# Altium PCB STM32MP25XXAK_2_DDR4_ascii.PcbDoc (part 4 of 6)
Units mm, origin at the board's own origin, x right, y up, seen from the top; angles counter-clockwise.
Board outline 120 x 79.6 mm, 4 copper layers (Top Layer, Signal Layer 1, Signal Layer 2, Bottom Layer), stack 1.614 mm thick; 243 components, 152 nets, 1304 pads, 784 vias.
Unrouted connection lines stored in the file: 6.
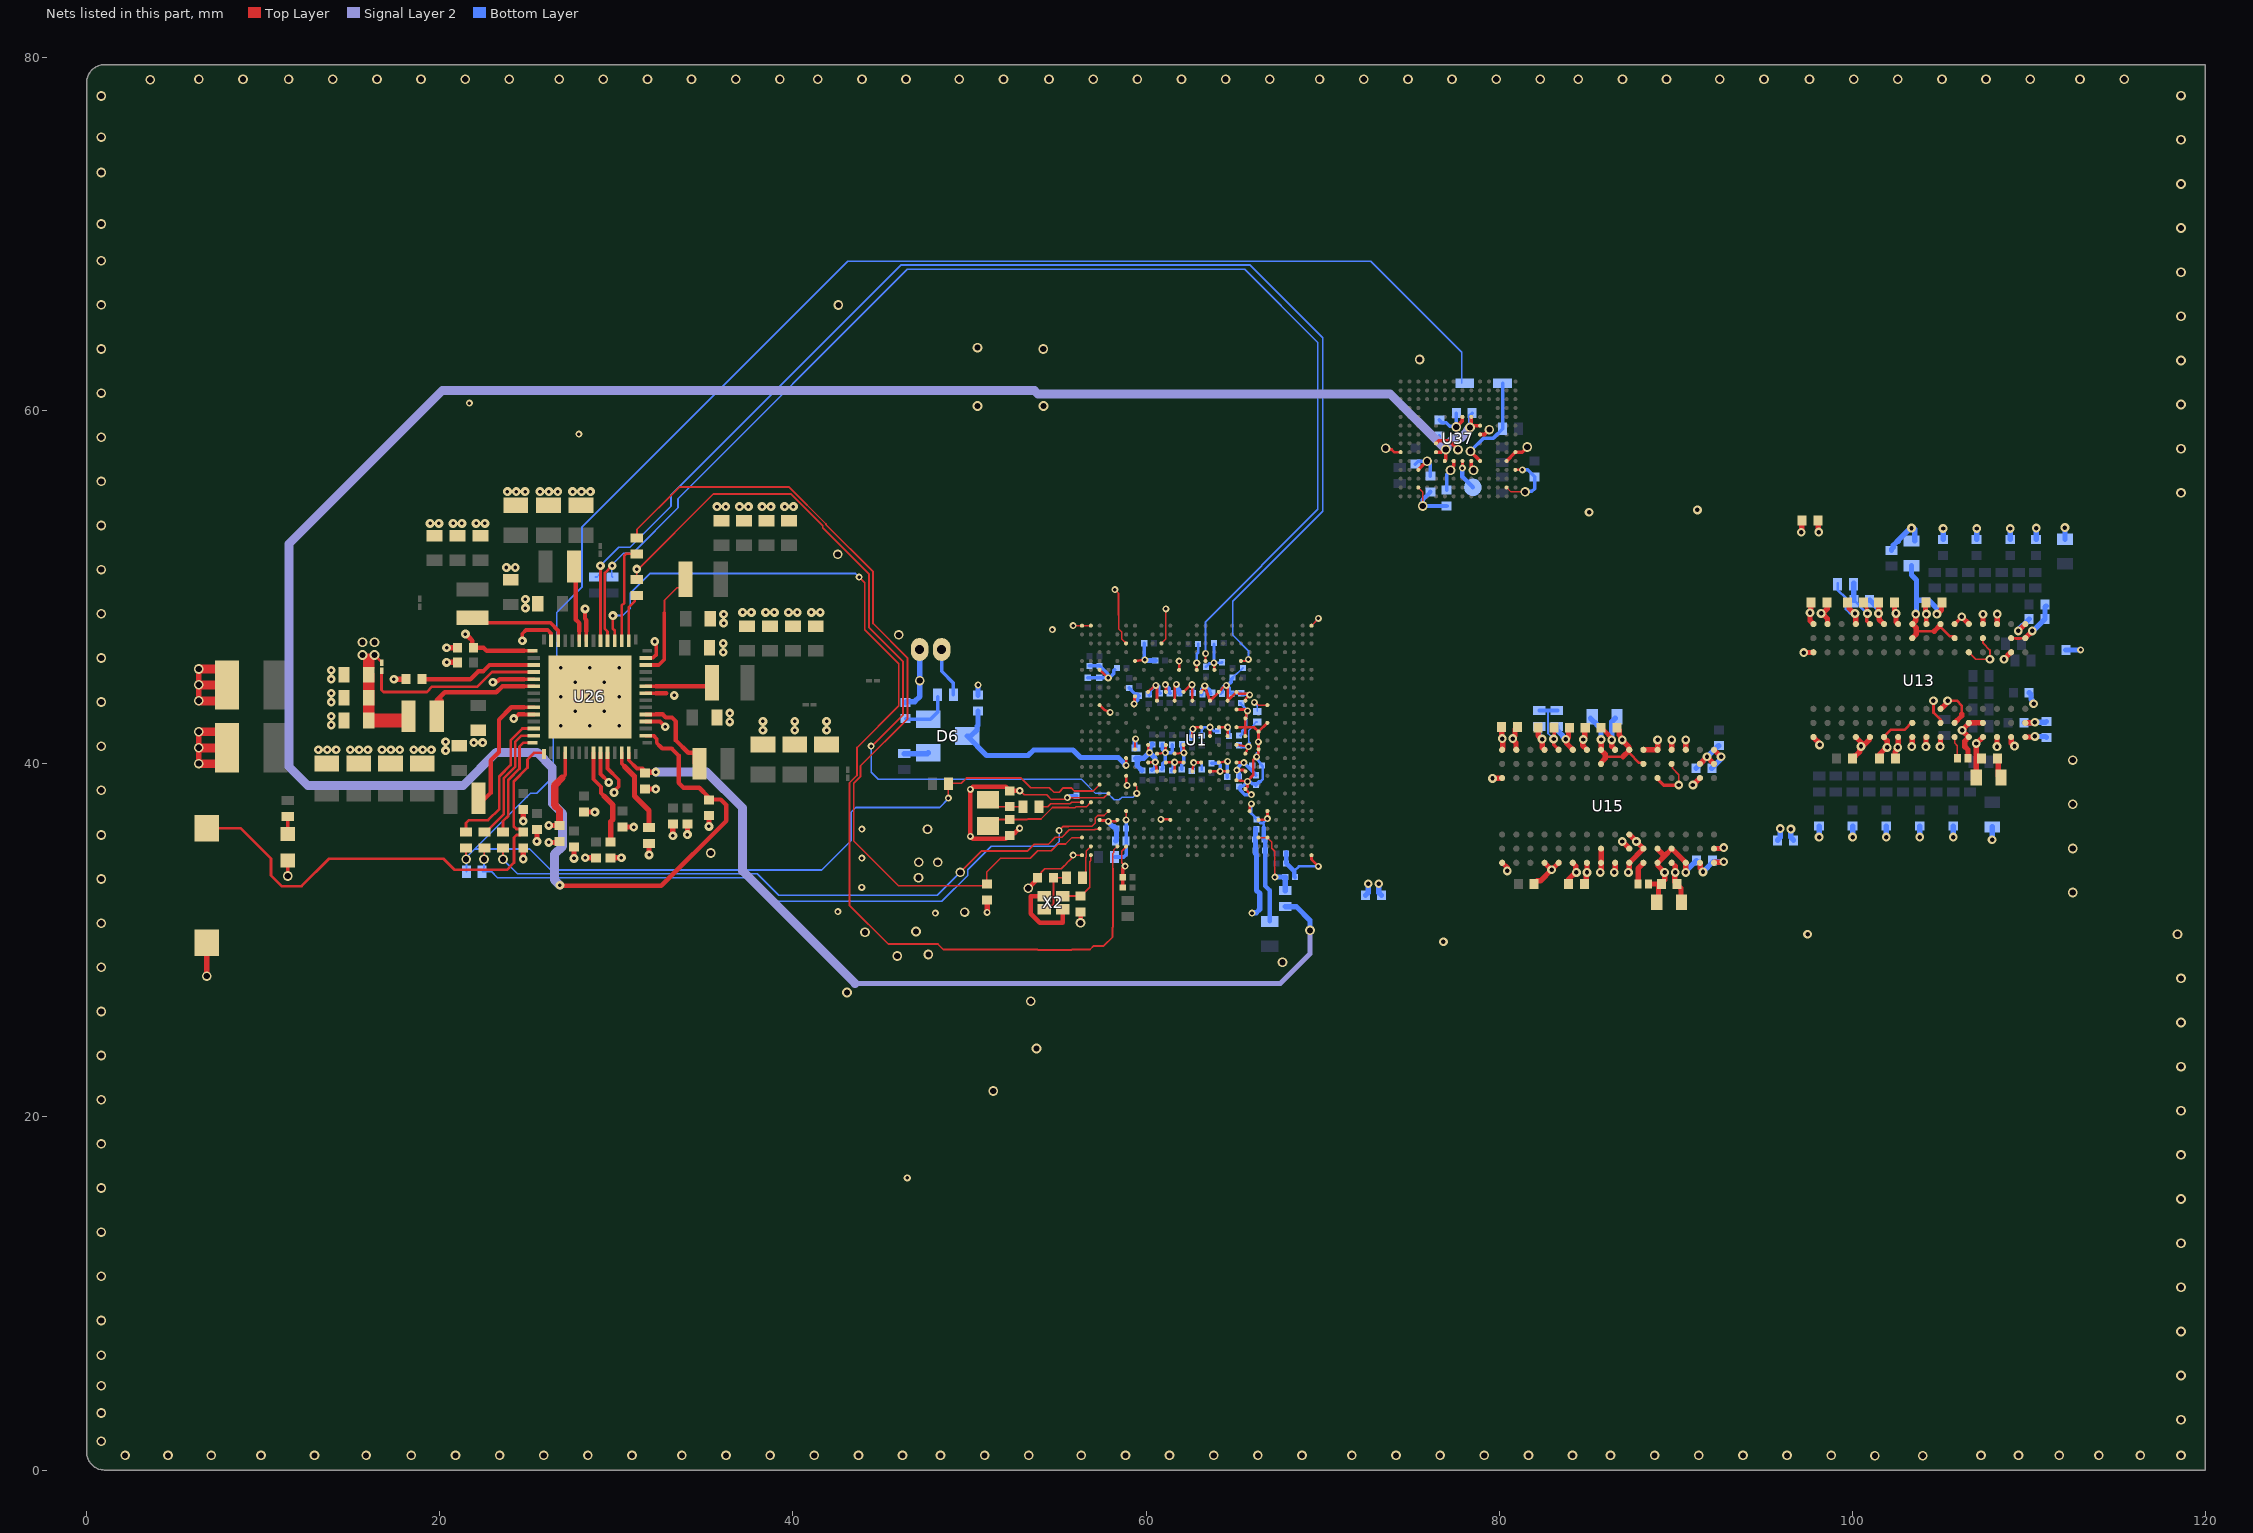
[diagram p5: the nets of this part, all layers, seen from the top]

## Via types
v1: diameter 0.55, hole 0.35, Top Layer to Bottom Layer, 256 vias
v2: diameter 0.4, hole 0.2, Top Layer to Bottom Layer, tented both sides, 235 vias
v3: diameter 0.5, hole 0.2, Top Layer to Bottom Layer, 146 vias
v4: diameter 0.5, hole 0.25, Top Layer to Bottom Layer, 143 vias
v5: diameter 0.5, hole 0.25, Top Layer to Bottom Layer, tented both sides, 4 vias

## Nets (pads, with @x,y where several pads share a name; then routed paths per layer and width w, separated by ;. In a path a pad name is that pad's centre, name@x,y a point inside that pad or via, vN(x,y) a via of type N, cw(c..) or ccw(c..) an arc to the next point about the centre after c; other vN are vias at no path point) (continued)
GND: B2.1 C1.1 C2.1 C3.1 C4.1 C5.1 C6.2 C7.1 C8.2 C9.1 C10.1 C11.1 C12.2 C13.1 C14.1 C15.1 C16.1 C17.1 C18.2 C19.1 C20.1 C21.1 C22.1 C23.1 C24.1 C26.1 C27.1 C28.1 C29.1 C30.1 C32.1 C33.1 C34.1 C35.1 C36.1 C37.1 C38.1 C39.1 C40.1 C41.1 C42.2 C43.1 C44.2 C45.1 C46.1 C47.2 C48.1 C49.1 C50.1 C51.1 C52.1 C53.1 C54.1 C55.1 C56.1 C58.1 C59.1 C60.1 C61.1 C62.1 C63.1 C64.1 C65.1 C66.1 C67.1 C68.1 C69.1 C70.2 C71.1 C72.1 C73.1 C74.1 C75.1 C76.1 C77.2 C79.1 C81.2 C82.1 C83.1 C84.1 C85.1 C86.2 C87.1 C88.1 C90.1 C91.2 C92.2 C117.1 C118.1 C128.1 C130.1 C142.2 C145.1 C146.1 C147.1 C148.1 C149.1 C150.1 C151.1 C152.1 C153.1 C154.1 C155.1 C156.1 C157.1 C158.1 C162.1 C170.1 C183.1 C184.1 C185.1 C186.1 C187.1 C188.1 C189.1 C190.2 C192.1 C193.1 C194.1 C195.1 C196.1 C197.1 C198.1 C199.1 C200.1 C201.1 C202.1 C203.1 C204.1 C205.1 C206.1 C207.1 C208.2 C209.1 C211.1 C212.1 C213.1 C214.1 C215.1 C216.1 C217.2 C218.1 C219.1 C220.1 C221.1 C225.1 C234.1 C235.1 C236.1 C237.1 C238.1 C239.1 C240.1 C244.1 C246.1 C248.1 C250.1 C251.1 C252.1 C253.1 C260.1 C1141.2 CN12.2 LD11.2 R57.1 R62.1 R75.1 R142.1 R147.1 R163.1 R174.1 U1.1A1 U1.1A3 U1.1A5 U1.1A7 U1.1A9 U1.1A11 U1.1B2 U1.1B4 U1.1B6 U1.1B8 U1.1B10 U1.1B12 U1.1E7 U1.1E9 U1.1F6 U1.1F8 U1.1F10 U1.1G1 U1.1G3 U1.1G5 U1.1G11 U1.1H2 U1.1H4 U1.1H12 U1.1J1 U1.1J3 U1.1J5 U1.1J7 U1.1J9 U1.1J11 U1.1K2 U1.1K4 U1.1K6 U1.1K8 U1.1K10 U1.1K12 U1.A1 U1.A2 U1.A27 U1.AC3 U1.AC5 U1.AC11 U1.AF6 U1.AG1 U1.AG27 U1.C6 U1.C10 U1.E7 U1.F3 U1.F12 U1.F14 U1.F16 U1.J7 U1.K3 U1.V6 U1.Y4 U13.A2 U13.A8 U13.B2 U13.C9 U13.D2 U13.D8 U13.E1 U13.E3 U13.E8 U13.E9 U13.F1 U13.G8 U13.H1 U13.H9 U13.K1 U13.K9 U13.M9 U13.N1 U13.N9 U13.T1 U13.T3 U15.A2 U15.A8 U15.B2 U15.C9 U15.D2 U15.D8 U15.E1 U15.E3 U15.E8 U15.E9 U15.F1 U15.G8 U15.H1 U15.H9 U15.K1 U15.K9 U15.M9 U15.N1 U15.N9 U15.T1 U15.T3 U26.9 U26.10 U26.18 U26.22 U26.27 U26.36 U26.41 U26.47 U26.52 U26.57 U37.A6 U37.C4 U37.E7 U37.G5 U37.H10 U37.J5 U37.K8 U37.N2 U37.N5 U37.P4 U37.P6 X2.2 X2.4 | length 240.8
  Top Layer w0.09: v2(55.55,38.085) 55.565,38.07 56.266,38.07 56.271,38.075 57.612,38.075 57.862,38.325 U1.Y4@57.875,38.325 ; U1.A1@56.375,47.825 U1.A2@56.875,47.825 ; 58.445,48.418 58.445,47.647 58.625,47.467 58.625,47.075 U1.C6@58.875,46.825 ; v2(58.816,34.213) 58.625,34.404 58.625,35.05 58.875,35.3 U1.AF6@58.875,35.325 ; U1.C10@60.875,46.825 61.125,47.075 v2(61.125,48.775) ; U37.N2@80.425,55.655 80.675,55.405 v1(81.475,55.405) ; U15.A8@92.208,35.257 v4@92.541,35.257 ; U13.A8@109.781,42.302 U13.A8@109.805,42.326
  Top Layer w0.1: v2(52.85,38.475) 52.882,38.475 53.114,38.244 54.372,38.244 54.622,37.994 55.458,37.994 v2(55.55,38.085) ; v1@53.243,33.041 v1(53.329,32.955) ; C92.2@53.859,33.546 53.859,33.648 54.264,34.053 55.189,34.053 55.279,34.144 55.291,34.144 55.496,34.349 55.496,34.361 55.77,34.635 55.77,34.639 55.875,34.744 v2(55.875,34.825) U1.AG1@56.375,34.825 ; v2(55.875,47.825) U1.A1@56.375,47.825 ; v2(58.24,49.865) 58.445,49.66 58.445,48.418 ; U1.A27@69.375,47.825 69.762,48.213 v2(69.762,48.238) ; v4@79.631,39.21 v4@79.635,39.205 ; v4@79.635,39.177 v4@79.635,39.205 ; v4@79.644,39.197 v4@79.635,39.205 ; U15.D2@89.781,40 89.823,39.958 89.823,39.747 90.181,39.39 90.181,38.8 v4@90.166,38.815 ; U13.E3@106.605,46.32 106.996,45.929 v4(107.803,45.929) 107.803,46.445 107.414,46.834 107.414,47.111 U13.D2@107.405,47.12
  Top Layer w0.15: U1.AC3@57.375,36.825 57.41,36.79 57.795,36.79 57.845,36.74 v2(57.872,36.74) 58.29,36.74 U1.AC5@58.375,36.825 ; U1.K3@57.375,43.325 57.643,43.057 v2(57.966,42.92) ; U1.F3@57.375,45.325 v2(57.862,44.875) ; U1.V6@58.875,39.325 58.875,38.893 58.925,38.843 v2(58.925,38.775) ; v2@59.325,43.275 59.35,43.3 59.35,43.613 ; v2(59.325,43.4) 59.35,43.613 ; U1.E7@59.375,45.825 v2(59.931,45.892) ; U1.J7@59.388,43.812 U1.J7@59.375,43.825 ; U1.1J1@60.125,40.075 v2(60.525,40.1) U1.1K2@60.625,39.575 ; U1.1G1@60.125,41.075 60.125,40.778 60.198,40.705 v2(60.198,40.638) ; U1.1A1@60.125,44.075 60.442,44.392 60.481,44.392 60.531,44.442 v2@60.555,44.442 ; v2(60.558,44.442) v2@60.555,44.442 ; U1.1H2@60.625,40.575 v2(61.092,40.638) U1.1G3@61.125,41.075 ; U1.1B2@60.625,43.575 60.625,44.371 v2@60.555,44.442 ; v2(60.841,36.854) 61.289,36.854 61.303,36.84 61.36,36.84 U1.AC11@61.375,36.825 ; U1.1J3@61.125,40.075 v2(61.625,40.089) ; U1.1A3@61.125,44.075 61.132,44.082 v2@61.132,44.466 ; U1.1K4@61.625,39.575 v2(61.625,40.089) ; U1.1H4@61.625,40.575 v2(62.15,40.625) U1.1G5@62.125,41.075 ; U1.1B4@61.625,43.575 61.625,44.405 v2(61.725,44.505) ; U1.F12@61.875,45.325 v2(61.875,45.825) ; U1.1J5@62.125,40.075 v2(61.625,40.089) ; U1.1A5@62.125,44.075 62.496,44.446 62.571,44.446 62.625,44.5 U1.1B6@62.625,43.575 ; U1.1K6@62.625,39.575 v2(62.7,40.075) U1.1J7@63.125,40.075 ; U1.1F6@62.625,41.575 62.625,41.95 v2(62.65,41.975) ; v2@62.657,41.975 62.718,41.975 62.818,42.075 U1.1E7@63.125,42.075 ; U1.F14@62.875,45.325 v2(62.875,45.725) ; U1.1A7@63.125,44.075 v2(63.328,44.412) U1.1B8@63.625,43.575 U1.1A9@64.125,44.075 64.448,44.398 64.538,44.398 64.586,44.446 64.625,44.407 U1.1B10@64.625,43.575 U1.1A11@65.125,44.075 65.147,44.075 65.25,43.972 65.818,43.972 65.865,43.925 65.865,43.894 65.64,43.669 65.64,43.59 U1.1B12@65.625,43.575 ; U1.1K8@63.625,39.575 v2(64.198,39.575) U1.1K10@64.625,39.575 ; U1.1F8@63.625,41.575 v2(63.625,42.075) ; v2@63.853,45.725 U1.F16@63.875,45.325 ; U1.1E9@64.125,42.075 v2(64.625,42.075) U1.1F10@64.625,41.575 ; U1.1G11@65.125,41.075 v2(65.806,40.972) U1.1H12@65.625,40.575 ; U1.AG27@69.375,34.825 69.375,34.59 v2(69.768,34.197) ; v1(73.575,57.875) 73.646,57.804 73.911,57.804 74.056,57.66 74.42,57.66 U37.A6@74.425,57.655 ; U37.P4@80.925,56.655 v2(81.325,56.655) ; v4@104.606,43.575 104.606,42.9 105.006,42.5 U13.G8@105.006,42.325 ; U13.B2@109.005,47.12 109.282,47.12 109.303,47.099 109.501,47.099 109.523,47.12 U13.A2@109.801,47.12 ; 59.35,43.613 59.35,43.825 U1.J7@59.375,43.825 ; 59.35,43.613 U1.J7@59.375,43.825
  Top Layer w0.16: U1.1J9@64.125,40.075 v2(64.625,40.143) ; U1.1J11@65.125,40.075 v2@65.5,40.075 ; v2(65.15,39.65) 65.55,39.65 U1.1K12@65.625,39.575
  Top Layer w0.2: v1@11.386,33.645 LD11.2@11.386,34.522 ; U26.27@31.67,46 32.079,46 32.27,46.191 32.27,46.91 v3@32.316,46.956 ; v3(32.17,46.93) v3@32.227,46.873 ; C248.1@58.683,33.002 C250.1@58.683,33.572 58.683,34.08 v2(58.816,34.213) ; U37.C4@75.425,56.655 75.875,57.105 75.885,57.105 v1(75.925,57.145) ; U37.E7@76.425,58.155 76.575,58.305 77.17,58.305 v1(77.675,57.8) ; v1(77.25,56.63) 77.25,56.718 77.425,56.893 U37.G5@77.425,57.155 ; v1(77.575,59.08) 77.925,59.43 U37.H10@77.925,59.655 ; U37.J5@78.425,57.155 78.425,56.85 78.55,56.725 v1(78.55,56.63) ; U37.K8@78.925,58.655 79.175,58.655 v1(79.45,58.93) ; U37.N5@80.425,57.155 U37.P6@80.925,57.655 81.305,57.655 v1(81.6,57.95) ; C85.1@81.991,33.193 C85.1@81.991,33.218 ; U15.E3@88.981,39.2 88.981,39.126 89.319,38.787 90.167,38.787 v4@90.181,38.8 ; U13.F1@105.806,47.925 v4@106.206,48.325
  Top Layer w0.21: v3(24.675,46.975) 24.675,47.375 24.88,47.58 26.109,47.58 26.3,47.389 U26.41@26.3,46.97 ; 24.775,42.8 U26.52@25.33,42.8 ; 24.775,44.8 U26.47@25.33,44.8 ; U26.36@28.3,46.97 28.3,47.525 ; U26.9@29.1,40.63 29.1,39.42 v3(29.568,38.952) ; U26.10@29.5,40.63 29.5,39.734 30.135,39.099 30.135,38.72 29.87,38.456 v3(29.87,38.377) ; U26.18@31.67,42.4 32.472,42.4 v3(32.772,42.1) ; U26.22@31.67,44 32.225,44
  Top Layer w0.25: v3(23.008,44.625) 23.056,44.673 23.257,44.673 23.384,44.8 24.775,44.8 ; v3(24.187,42.563) 24.221,42.563 24.459,42.8 24.775,42.8 ; v3(28.225,48.775) 28.225,48.214 28.3,48.139 28.3,47.525 ; 32.225,44 32.83,44 ; v3@32.757,42.1 v3(32.772,42.1) ; v2(52.841,36.352) 52.569,36.08 52.415,36.08 C86.2@52.285,35.95 52.26,35.95 52.061,35.75 50.196,35.75 v2(50.05,35.897) v2(50.05,38.554) 50.196,38.7 52.06,38.7 C81.2@52.285,38.475 v2(52.85,38.475) ; v1(53.329,32.955) 53.729,33.355 53.729,33.416 C92.2@53.859,33.546 ; X2.2@54.234,32.51 53.467,32.51 53.467,31.513 53.987,30.993 55.284,30.993 X2.4@55.284,31.76 ; v1(56.293,30.993) C90.1@56.293,31.61 ; C63.1@85.756,42.025 85.831,42.025 86.176,41.68 86.176,41.652 86.307,41.52 86.336,41.52 86.342,41.513 v4@86.342,41.388 ; U13.H1@104.206,47.925 v4@104.206,48.475
  Top Layer w0.3: v1@6.347,40.012 v1@6.347,41.812 ; v1@6.347,43.574 v1@6.347,45.374 ; B2.1@6.795,29.854 6.795,27.98 v1(6.8,27.975) ; v3(17.395,44.79) C43.1@18.055,44.79 ; v3(20.385,45.75) C40.1@20.995,45.75 ; v3(20.385,46.575) C39.1@20.995,46.575 ; v3@24.725,36.81 C217.2@24.725,37.42 ; v3@24.727,34.58 C155.1@24.727,35.185 ; v3(25.5,35.61) C154.1@25.5,36.215 ; v3(26.165,35.55) C142.2@26.775,35.55 ; v3@27.6,34.69 C1141.2@27.6,35.3 ; C153.1@28.175,37.27 v3(28.785,37.27) ; v3(28.24,34.68) C91.2@28.85,34.68 ; C208.2@29.675,34.68 v3(30.285,34.68) ; C209.1@30.35,36.42 v3(30.985,36.42) ; C156.1@31.625,38.57 v3(32.235,38.57) ; v3(31.85,34.84) R57.1@31.85,35.5 ; v3(33.2,35.93) C189.1@33.2,36.59 ; v3(34.025,35.99) C188.1@34.025,36.59 C188.1@34.025,36.65 ; v3(35.245,36.46) 35.248,36.462 35.248,37.062 C190.2@35.25,37.065 ; v2@50.979,31.565 v2(51,31.586) C33.1@51,32.3 ; v4@79.635,39.177 79.646,39.188 80.168,39.188 U15.T3@80.181,39.2 ; C60.1@80.106,42.075 80.143,42.038 80.143,41.463 v4@80.181,41.425 ; v4(80.178,41.429) 80.201,41.406 80.201,40.851 80.193,40.843 80.193,40.826 U15.T1@80.212,40.807 ; C85.1@81.991,33.218 82.146,33.373 82.347,33.373 v4(82.978,34.004) ; C61.1@82.215,42.05 82.215,41.603 82.44,41.378 82.44,40.931 82.571,40.8 U15.N1@82.581,40.8 ; U15.N9@82.581,34.4 82.977,34.004 82.981,34 U15.M9@83.381,34.4 ; v4@84.75,41.394 v4(84.766,41.379) ; C84.1@84.774,33.197 84.774,33.222 84.942,33.39 84.942,33.812 84.981,33.85 U15.K9@84.981,34.4 ; C62.1@84.856,42.025 84.856,41.499 84.735,41.379 84.732,41.382 84.732,41.039 U15.K1@84.974,40.797 ; v4@86.342,41.388 86.381,41.35 86.381,41 U15.H1@86.581,40.8 ; v4@86.531,33.85 86.581,33.9 U15.H9@86.581,34.4 ; v4@86.981,35.6 U15.G8@87.381,35.2 ; U15.F1@88.181,40.8 88.981,40.8 v4@88.981,41.35 ; R75.1@88.475,33.193 C83.1@89.149,33.193 ; C88.1@88.906,32.175 89.031,32.3 89.031,33.075 C83.1@89.149,33.193 ; U15.E8@88.981,35.184 89.375,34.79 89.375,34.784 ; U15.E9@88.991,34.4 89.375,34.784 ; U15.E9@89,34.381 89,34.231 89.381,33.85 89.381,33.425 C83.1@89.149,33.193 ; C83.1@89.186,33.195 89.184,33.193 C83.1@89.149,33.193 ; U15.D8@89.781,35.19 89.375,34.784 ; U15.D8@89.781,35.2 90.581,34.4 v4@90.581,33.85 ; U15.B2@91.381,40 91.781,40.4 U15.A2@92.181,40 ; U15.A8@92.181,35.2 v4@92.681,35.2 ; v5(97.118,53.124) 97.136,53.142 97.136,53.755 C151.1@97.155,53.774 ; v4(97.253,46.304) 97.789,46.304 U13.T3@97.805,46.32 ; C56.1@97.68,49.145 97.651,49.116 97.662,49.105 97.662,48.606 v5(97.612,48.556) 97.612,48.113 U13.T1@97.805,47.92 ; C54.1@99.73,49.15 99.835,49.045 99.835,48.81 100.112,48.533 100.158,48.533 100.205,48.486 U13.N1@100.205,47.92 ; C66.1@100.036,40.299 100.036,40.342 100.123,40.429 100.166,40.429 100.437,40.699 100.437,40.862 v4@100.475,40.9 ; U13.N9@100.205,41.52 100.532,41.193 v4@100.532,40.993 ; v4@100.638,41.1 100.706,41.1 100.986,41.38 100.986,41.505 U13.M9@101.006,41.525 ; C53.1@102.4,49.15 102.4,48.606 v4(102.483,48.523) 102.483,48.042 U13.K1@102.605,47.92 ; C67.1@102.431,40.324 102.431,40.668 102.481,40.718 102.481,40.825 102.606,40.95 U13.K9@102.606,41.525 ; C55.1@104.156,49.15 104.156,48.525 v4@104.206,48.475 ; v4@104.181,40.975 104.181,41.5 U13.H9@104.206,41.525 ; v4@106.206,48.325 U13.E1@106.612,47.918 ; R62.1@106.556,40.325 106.556,40.8 106.381,40.975 106.381,41.3 106.606,41.525 106.231,41.9 106.606,42.275 106.606,42.325 U13.D8@107.406,42.325 ; v4(108.203,40.979) 108.205,40.981 U13.C9@108.205,41.52 ; C65.1@108.206,40.375 108.273,40.308 108.273,39.333 C73.1@108.406,39.2 ; U13.A8@109.806,42.325 110.331,42.325 v4@110.356,42.35 ; U13.A2@109.806,47.125 v4@110.206,47.525
  Top Layer w0.5: v1@6.353,40.006 C18.2@7.936,40.006 ; v1@6.353,40.906 C18.2@7.936,40.906 ; v1@6.353,41.818 C18.2@7.936,41.818 ; v1@6.353,43.568 C42.2@7.936,43.568 ; v1@6.353,44.468 C42.2@7.936,44.468 ; v1@6.353,45.38 C42.2@7.936,45.38
  Bottom Layer w0.1: C10.1@64.9,44.885 65.085,45.07 65.114,45.07 65.352,45.308 65.375,45.308 C238.1@65.5,45.433 ; v2(65.806,40.972) v2@65.844,41.01 ; 65.844,41.178 65.814,41.208 65.814,41.891 66.1,42.176 66.1,42.225 66.25,42.375 R174.1@66.299,42.375
  Bottom Layer w0.15: v2(59.931,45.892) v2@59.935,45.896 ; C4.1@62.592,39.603 62.683,39.694 62.683,40.058 v2(62.7,40.075) 63.066,40.075 63.154,39.987 C5.1@63.154,39.672 ; v2(62.875,45.725) 62.875,46.219 62.95,46.294 C195.1@62.95,46.787 ; C52.1@63.162,41.607 63.162,41.944 63.293,42.075 v2(63.625,42.075) 63.844,41.856 C1.1@64.083,41.856 ; C11.1@63.4,45.5 63.586,45.686 63.807,45.686 v2@63.859,45.738 ; v2(63.85,45.725) 64.278,45.725 C69.1@64.305,45.752 ; v2@63.85,45.775 C239.1@63.85,46.787 ; v2(64.625,42.075) 64.706,41.994 C2.1@64.705,41.579 ; 68.39,33.919 68.669,34.197 v2(69.768,34.197) ; R147.1@99.182,50.229 99.182,49.846 99.639,49.389 99.639,48.768 99.874,48.533 v4@100.158,48.533
  Bottom Layer w0.2: v2(55.55,38.085) 55.663,38.198 C234.1@56.064,38.198 ; C237.1@56.696,44.88 C236.1@57.345,44.88 ; C192.1@56.8,45.55 C201.1@57.375,45.55 57.825,45.1 57.825,44.912 v2(57.862,44.875) 57.862,44.894 57.881,44.914 57.974,44.914 58.163,45.103 58.163,45.282 C16.1@58.216,45.334 ; C236.1@57.35,44.875 v2(57.862,44.875) ; C240.1@59.05,44.3 59.37,43.98 59.484,43.98 59.534,43.93 C220.1@59.534,43.856 ; v2(59.325,43.4) 59.325,43.408 59.534,43.617 59.534,43.781 C220.1@59.609,43.856 C220.1@59.534,43.931 ; v2@59.902,45.948 C17.1@59.902,46.829 ; C45.1@60.173,43.895 60.235,43.957 60.235,44.124 60.248,44.137 60.248,44.139 60.551,44.442 v2(60.558,44.442) ; C71.1@60.34,39.635 60.491,39.786 60.491,40.066 v2(60.525,40.1) ; v2@60.624,44.485 60.726,44.383 60.726,44.075 C51.1@60.813,43.988 ; C72.1@60.905,39.698 60.956,39.749 60.956,40.021 61.092,40.157 v2(61.092,40.638) ; C46.1@60.915,41.105 60.915,40.815 v2(61.092,40.638) ; v2@61.132,44.466 61.132,44.444 61.302,44.274 61.302,44.062 C49.1@61.377,43.987 ; C12.2@61.467,39.624 61.542,39.699 61.542,39.952 61.625,40.035 v2(61.625,40.089) ; C47.2@61.476,41.081 61.476,40.694 61.42,40.638 v2(61.092,40.638) ; C74.1@62.03,39.683 62.03,39.955 62.15,40.075 v2(62.15,40.625) 62.038,40.737 C48.1@62.038,41.107 ; C7.1@62.581,44.08 62.636,44.08 62.636,44.483 v2@62.625,44.494 ; C6.2@63.156,43.924 63.156,44.24 v2(63.328,44.412) 63.366,44.374 63.421,44.374 63.6,44.195 63.6,44.059 C8.2@63.675,43.984 ; C59.1@63.714,40.036 64.111,40.036 64.198,39.949 v2(64.198,39.575) ; C68.1@64.239,43.997 64.314,44.072 64.314,44.284 64.437,44.408 64.548,44.408 v2@64.586,44.446 ; C58.1@64.607,39.247 64.607,40.125 v2(64.625,40.143) ; C10.1@64.915,44.871 64.84,44.796 64.84,44.663 64.623,44.446 v2@64.586,44.446 ; C82.1@65.125,41.05 65.355,41.05 65.433,40.972 v2(65.806,40.972) ; C76.1@65.274,39.198 65.274,39.526 v2(65.15,39.65) 65.15,39.704 65.25,39.804 65.25,39.848 65.477,40.075 65.53,40.075 66.15,39.455 66.15,39.425 C77.2@66.225,39.35 ; v2@65.844,41.01 65.844,41.178 ; v2@65.886,43.946 65.865,43.925 65.851,43.939 65.436,43.939 65.375,44 64.804,44 64.8,43.996 64.725,44.071 64.725,44.307 v2@64.586,44.446 ; C118.1@75.26,56.98 75.425,57.145 v1(75.925,57.145) 76.11,56.96 C79.1@76.11,56.305 ; C9.1@76.615,59.48 76.77,59.325 77.008,59.325 77.208,59.126 77.529,59.126 v1(77.575,59.08) C117.1@77.575,59.864 ; C130.1@77.027,55.505 77.027,56.407 v1(77.25,56.63) ; v2(81.325,56.655) 81.615,56.655 C128.1@82.015,56.255 82.015,55.592 81.858,55.435 81.505,55.435 v1(81.475,55.405)
  Bottom Layer w0.25: C253.1@67.941,34.367 68.39,33.919 68.39,33.638 C251.1@68.44,33.588 ; C253.1@67.941,34.385 C246.1@67.941,34.986
  Bottom Layer w0.3: C14.1@46.382,43.465 46.439,43.522 46.897,43.522 47.189,43.814 CN12.2@47.189,46.897 ; C87.1@50.485,43.888 v2(50.485,44.466) ; v2(57.872,36.74) 57.891,36.721 57.891,36.682 58.133,36.44 58.216,36.44 C244.1@58.325,36.331 58.325,35.675 C235.1@58.275,35.625 ; C70.2@59.775,39.625 59.506,39.894 59.506,40.25 59.456,40.3 C225.1@59.425,40.3 59.451,40.326 59.886,40.326 v2(60.198,40.638) ; v2@59.902,45.948 59.931,45.919 v2(59.931,45.892) 59.958,45.892 60,45.85 C196.1@60.525,45.85 ; C44.2@60.351,41.105 60.217,40.971 60.217,40.657 v2(60.198,40.638) ; v2(60.525,40.1) 60.506,40.119 60.506,40.33 v2(60.198,40.638) ; v2(61.725,44.505) 61.725,44.478 61.75,44.453 61.75,44.284 61.875,44.159 61.875,44.025 C50.1@61.9,44 ; C3.1@62.6,41.475 62.604,41.479 62.604,41.901 62.65,41.948 v2(62.65,41.975) ; v2@65.984,31.527 v2(66.003,31.546) 66.023,31.565 66.243,31.565 66.449,31.771 66.449,32.645 66.258,32.836 66.258,34.855 66.2,34.914 C252.1@66.2,36.324 ; v4(73.189,33.206) 73.189,32.706 C221.1@73.339,32.556 ; v1(75.5,62.9) v1@75.51,62.91 ; R142.1@82.239,42.119 82.239,41.604 v4(82.44,41.403) ; v4(86.378,41.354) 86.378,42.379 C194.1@86.575,42.577 ; v4(90.578,33.854) 90.578,33.929 C219.1@91.178,34.529 ; C205.1@91.153,39.754 v4@91.778,40.379 ; v4(91.778,40.404) v4@91.778,40.379 ; C203.1@92.453,41.029 92.428,41.029 v4@91.778,40.379 ; v4(96.528,36.304) 96.528,35.829 C218.1@96.678,35.679 ; v4(98.128,35.854) C216.1@98.128,36.479 ; v4(100.028,35.854) C215.1@100.028,36.479 ; v4(101.928,35.854) C214.1@101.928,36.479 ; R163.1@102.228,52.098 102.228,52.154 102.327,52.253 102.327,52.378 102.553,52.604 102.603,52.604 102.578,52.629 103.301,53.352 v4(103.36,53.352) 103.499,53.352 103.546,53.305 C150.1@103.546,52.628 ; v4(103.828,35.854) C213.1@103.828,36.479 ; C149.1@105.153,52.704 v4(105.153,53.329) ; v4(105.728,35.854) C212.1@105.728,36.479 ; C148.1@107.053,52.704 v4(107.053,53.329) ; v4(107.928,35.704) C211.1@107.928,36.429 ; C147.1@108.953,52.704 v4(108.953,53.329) ; C198.1@109.728,42.329 110.328,42.329 v4(110.353,42.354) 110.953,42.354 C197.1@111.003,42.402 ; C185.1@110.028,44.029 110.133,43.924 110.133,43.666 110.206,43.593 110.206,43.557 110.306,43.457 v4@110.306,43.403 ; v4(110.203,47.529) 110.253,47.529 110.928,48.204 110.928,48.879 C158.1@110.99,48.942 ; C146.1@110.428,52.729 v4(110.428,53.354) ; C145.1@112.053,52.728 v4(112.053,53.379) ; C170.1@112.103,46.454 112.939,46.454 v2(112.945,46.46)
  other v1: 101.286,0.805 104,0.805 2.175,0.83 4.6,0.83 7.05,0.83 9.875,0.83 12.9,0.83 15.825,0.83 18.386,0.83 20.886,0.83 23.386,0.83 25.886,0.83 28.386,0.83 30.886,0.83 33.711,0.83 36.211,0.83 38.711,0.83 41.211,0.83 43.711,0.83 46.211,0.83 48.361,0.83 50.861,0.83 53.361,0.83 56.336,0.83 58.836,0.83 61.336,0.83 63.836,0.83 66.336,0.83 68.836,0.83 71.661,0.83 74.161,0.83 76.661,0.83 79.161,0.83 81.661,0.83 84.161,0.83 86.311,0.83 88.811,0.83 91.311,0.83 93.811,0.83 96.311,0.83 98.811,0.83 107.3,0.83 109.425,0.83 111.725,0.83 113.975,0.83 116.325,0.83 118.625,0.83 0.825,1.625 118.625,2.85 0.825,3.225 0.825,4.775 118.625,5.35 0.825,6.5 118.625,7.85 0.825,8.475 118.625,10.35 0.825,10.975 118.625,12.85 0.825,13.475 118.625,15.35 0.825,15.975 118.625,17.85 0.825,18.475 118.625,20.35 0.825,20.975 51.35,21.475 118.625,22.85 0.825,23.475 53.8,23.875 118.625,25.35 0.825,25.975 53.467,26.55 43.063,27.05 118.625,27.85 0.825,28.475 67.73,28.759 45.909,29.117 47.672,29.202 118.428,30.35 44.087,30.462 46.975,30.5 0.825,30.975 49.725,31.6 112.495,32.71 0.825,33.475 47.112,33.546 11.387,33.648 47.125,34.425 48.2,34.42 35.35,34.945 112.495,35.21 0.825,35.975 47.625,36.3 112.495,37.71 0.825,38.5 6.348,40.014 112.495,40.21 6.348,40.914 0.825,41 6.348,41.814 0.825,43.5 6.348,43.576 6.348,44.476 47.189,44.713 6.348,45.376 0.825,46 45.995,47.305 0.825,48.5 0.825,51 42.535,51.865 0.825,53.5 118.625,55.35 0.825,56 118.625,57.85 0.825,58.5 50.45,60.275 54.195,60.275 118.625,60.35 0.825,61 118.625,62.85 0.825,63.5 54.175,63.5 50.45,63.575 118.625,65.35 0.825,66 42.575,65.995 118.625,67.85 0.825,68.5 118.625,70.35 0.825,70.575 118.625,72.85 0.825,73.5 118.625,75.35 0.825,75.5 0.825,77.825 118.625,77.85 3.6,78.75 6.35,78.775 8.85,78.775 11.436,78.775 13.936,78.775 16.436,78.775 18.936,78.775 21.436,78.775 23.936,78.775 26.761,78.775 29.261,78.775 31.761,78.775 34.261,78.775 36.761,78.775 39.261,78.775 41.411,78.775 43.911,78.775 46.411,78.775 49.425,78.775 51.925,78.775 54.511,78.775 57.011,78.775 59.511,78.775 62.011,78.775 64.511,78.775 67.011,78.775 69.836,78.775 72.336,78.775 74.836,78.775 77.336,78.775 79.836,78.775 82.336,78.775 84.486,78.775 86.986,78.775 89.486,78.775 92.5,78.775 95,78.775 97.586,78.775 100.086,78.775 102.586,78.775 105.086,78.775 107.586,78.775 110.086,78.775 112.911,78.775 115.411,78.775